# KiCad board ILM139C.kicad_pcb (continued)
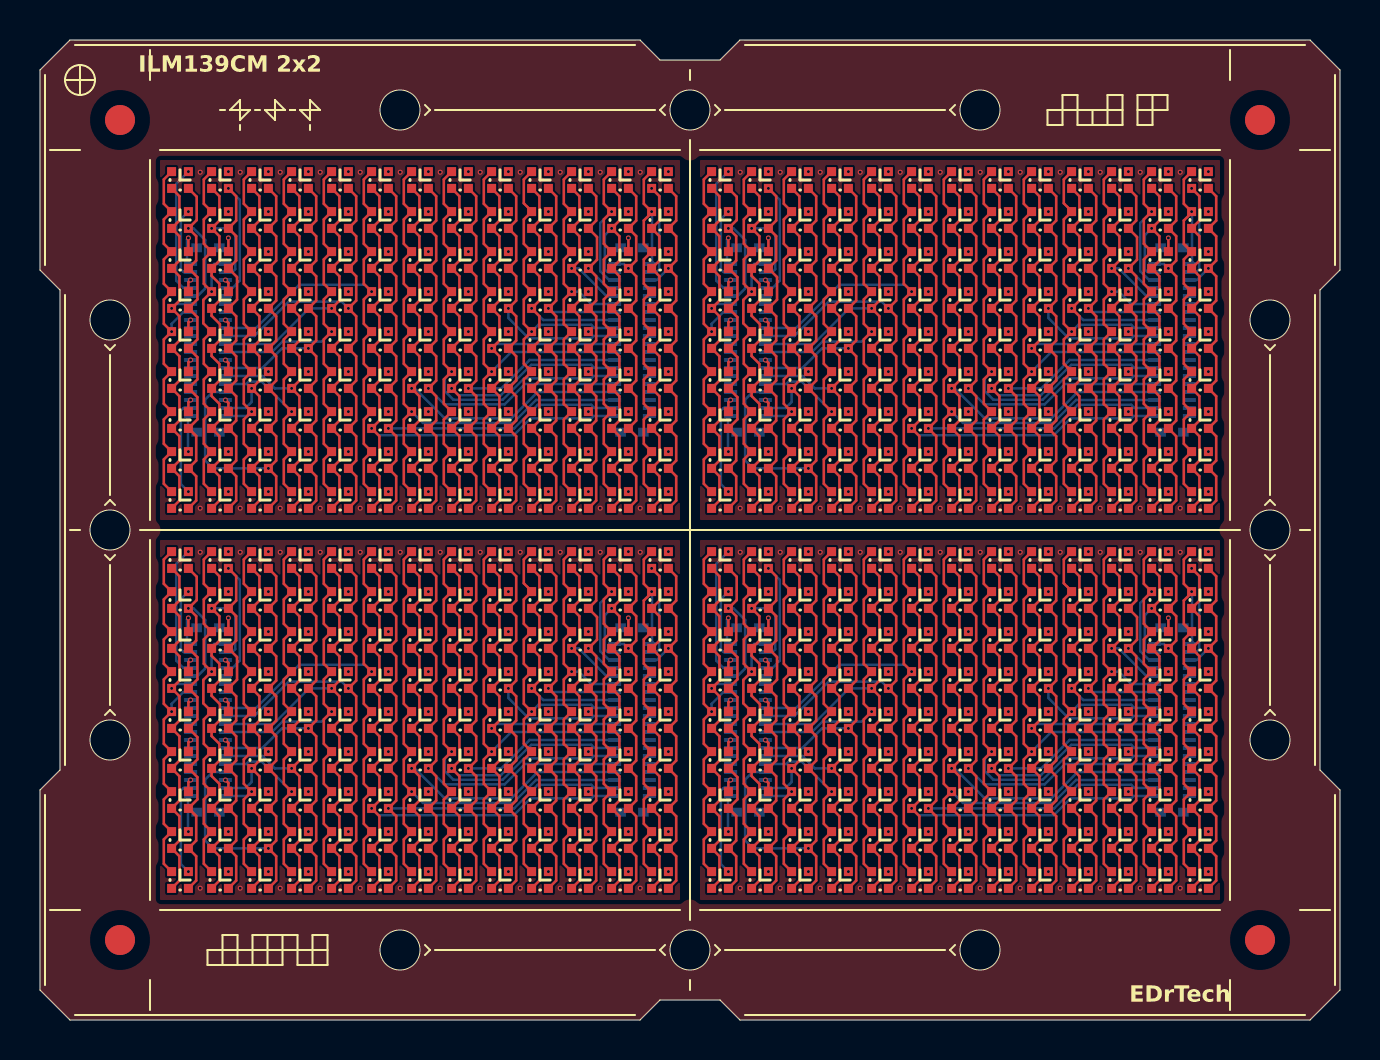
[diagram p0: board, top side]
## Placement (name value [footprint] x y rotation side) (continued)
U82#4  XL-B1010RGBT-HF  [LED-SMD_4P-L1.0-W1.0-TR_1]  46 7 0 top
U83  XL-B1010RGBT-HF  [LED-SMD_4P-L1.0-W1.0-TR_1]  56 23 0 top
U83#2  XL-B1010RGBT-HF  [LED-SMD_4P-L1.0-W1.0-TR_1]  29 42 0 top
U83#3  XL-B1010RGBT-HF  [LED-SMD_4P-L1.0-W1.0-TR_1]  56 42 0 top
U83#4  XL-B1010RGBT-HF  [LED-SMD_4P-L1.0-W1.0-TR_1]  29 23 0 top
U84  XL-B1010RGBT-HF  [LED-SMD_4P-L1.0-W1.0-TR_1]  54 42 0 top
U84#2  XL-B1010RGBT-HF  [LED-SMD_4P-L1.0-W1.0-TR_1]  54 23 0 top
U84#3  XL-B1010RGBT-HF  [LED-SMD_4P-L1.0-W1.0-TR_1]  27 42 0 top
U84#4  XL-B1010RGBT-HF  [LED-SMD_4P-L1.0-W1.0-TR_1]  27 23 0 top
U85  XL-B1010RGBT-HF  [LED-SMD_4P-L1.0-W1.0-TR_1]  52 42 0 top
U85#2  XL-B1010RGBT-HF  [LED-SMD_4P-L1.0-W1.0-TR_1]  25 42 0 top
U85#3  XL-B1010RGBT-HF  [LED-SMD_4P-L1.0-W1.0-TR_1]  25 23 0 top
U85#4  XL-B1010RGBT-HF  [LED-SMD_4P-L1.0-W1.0-TR_1]  52 23 0 top
U86  XL-B1010RGBT-HF  [LED-SMD_4P-L1.0-W1.0-TR_1]  56 21 0 top
U86#2  XL-B1010RGBT-HF  [LED-SMD_4P-L1.0-W1.0-TR_1]  56 40 0 top
U86#3  XL-B1010RGBT-HF  [LED-SMD_4P-L1.0-W1.0-TR_1]  29 40 0 top
U86#4  XL-B1010RGBT-HF  [LED-SMD_4P-L1.0-W1.0-TR_1]  29 21 0 top
U87  XL-B1010RGBT-HF  [LED-SMD_4P-L1.0-W1.0-TR_1]  27 40 0 top
U87#2  XL-B1010RGBT-HF  [LED-SMD_4P-L1.0-W1.0-TR_1]  27 21 0 top
U87#3  XL-B1010RGBT-HF  [LED-SMD_4P-L1.0-W1.0-TR_1]  54 21 0 top
U87#4  XL-B1010RGBT-HF  [LED-SMD_4P-L1.0-W1.0-TR_1]  54 40 0 top
U88  XL-B1010RGBT-HF  [LED-SMD_4P-L1.0-W1.0-TR_1]  52 40 0 top
U88#2  XL-B1010RGBT-HF  [LED-SMD_4P-L1.0-W1.0-TR_1]  25 40 0 top
U88#3  XL-B1010RGBT-HF  [LED-SMD_4P-L1.0-W1.0-TR_1]  52 21 0 top
U88#4  XL-B1010RGBT-HF  [LED-SMD_4P-L1.0-W1.0-TR_1]  25 21 0 top
U89  XL-B1010RGBT-HF  [LED-SMD_4P-L1.0-W1.0-TR_1]  29 19 0 top
U89#2  XL-B1010RGBT-HF  [LED-SMD_4P-L1.0-W1.0-TR_1]  56 38 0 top
U89#3  XL-B1010RGBT-HF  [LED-SMD_4P-L1.0-W1.0-TR_1]  56 19 0 top
U89#4  XL-B1010RGBT-HF  [LED-SMD_4P-L1.0-W1.0-TR_1]  29 38 0 top
U90  XL-B1010RGBT-HF  [LED-SMD_4P-L1.0-W1.0-TR_1]  27 38 0 top
U90#2  XL-B1010RGBT-HF  [LED-SMD_4P-L1.0-W1.0-TR_1]  27 19 0 top
U90#3  XL-B1010RGBT-HF  [LED-SMD_4P-L1.0-W1.0-TR_1]  54 38 0 top
U90#4  XL-B1010RGBT-HF  [LED-SMD_4P-L1.0-W1.0-TR_1]  54 19 0 top
U91  XL-B1010RGBT-HF  [LED-SMD_4P-L1.0-W1.0-TR_1]  52 19 0 top
U91#2  XL-B1010RGBT-HF  [LED-SMD_4P-L1.0-W1.0-TR_1]  25 19 0 top
U91#3  XL-B1010RGBT-HF  [LED-SMD_4P-L1.0-W1.0-TR_1]  52 38 0 top
U91#4  XL-B1010RGBT-HF  [LED-SMD_4P-L1.0-W1.0-TR_1]  25 38 0 top
U92  XL-B1010RGBT-HF  [LED-SMD_4P-L1.0-W1.0-TR_1]  29 36 0 top
U92#2  XL-B1010RGBT-HF  [LED-SMD_4P-L1.0-W1.0-TR_1]  29 17 0 top
U92#3  XL-B1010RGBT-HF  [LED-SMD_4P-L1.0-W1.0-TR_1]  56 17 0 top
U92#4  XL-B1010RGBT-HF  [LED-SMD_4P-L1.0-W1.0-TR_1]  56 36 0 top
U93  XL-B1010RGBT-HF  [LED-SMD_4P-L1.0-W1.0-TR_1]  54 36 0 top
U93#2  XL-B1010RGBT-HF  [LED-SMD_4P-L1.0-W1.0-TR_1]  54 17 0 top
U93#3  XL-B1010RGBT-HF  [LED-SMD_4P-L1.0-W1.0-TR_1]  27 17 0 top
U93#4  XL-B1010RGBT-HF  [LED-SMD_4P-L1.0-W1.0-TR_1]  27 36 0 top
U94  XL-B1010RGBT-HF  [LED-SMD_4P-L1.0-W1.0-TR_1]  25 36 0 top
U94#2  XL-B1010RGBT-HF  [LED-SMD_4P-L1.0-W1.0-TR_1]  25 17 0 top
U94#3  XL-B1010RGBT-HF  [LED-SMD_4P-L1.0-W1.0-TR_1]  52 17 0 top
U94#4  XL-B1010RGBT-HF  [LED-SMD_4P-L1.0-W1.0-TR_1]  52 36 0 top
U95  XL-B1010RGBT-HF  [LED-SMD_4P-L1.0-W1.0-TR_1]  29 34 0 top
U95#2  XL-B1010RGBT-HF  [LED-SMD_4P-L1.0-W1.0-TR_1]  29 15 0 top
U95#3  XL-B1010RGBT-HF  [LED-SMD_4P-L1.0-W1.0-TR_1]  56 34 0 top
U95#4  XL-B1010RGBT-HF  [LED-SMD_4P-L1.0-W1.0-TR_1]  56 15 0 top
U96  XL-B1010RGBT-HF  [LED-SMD_4P-L1.0-W1.0-TR_1]  54 34 0 top
U96#2  XL-B1010RGBT-HF  [LED-SMD_4P-L1.0-W1.0-TR_1]  54 15 0 top
U96#3  XL-B1010RGBT-HF  [LED-SMD_4P-L1.0-W1.0-TR_1]  27 34 0 top
U96#4  XL-B1010RGBT-HF  [LED-SMD_4P-L1.0-W1.0-TR_1]  27 15 0 top
U97  XL-B1010RGBT-HF  [LED-SMD_4P-L1.0-W1.0-TR_1]  52 34 0 top
U97#2  XL-B1010RGBT-HF  [LED-SMD_4P-L1.0-W1.0-TR_1]  25 34 0 top
U97#3  XL-B1010RGBT-HF  [LED-SMD_4P-L1.0-W1.0-TR_1]  25 15 0 top
U97#4  XL-B1010RGBT-HF  [LED-SMD_4P-L1.0-W1.0-TR_1]  52 15 0 top
U98  XL-B1010RGBT-HF  [LED-SMD_4P-L1.0-W1.0-TR_1]  29 32 0 top
U98#2  XL-B1010RGBT-HF  [LED-SMD_4P-L1.0-W1.0-TR_1]  29 13 0 top
U98#3  XL-B1010RGBT-HF  [LED-SMD_4P-L1.0-W1.0-TR_1]  56 32 0 top
U98#4  XL-B1010RGBT-HF  [LED-SMD_4P-L1.0-W1.0-TR_1]  56 13 0 top
U99  XL-B1010RGBT-HF  [LED-SMD_4P-L1.0-W1.0-TR_1]  54 13 0 top
U99#2  XL-B1010RGBT-HF  [LED-SMD_4P-L1.0-W1.0-TR_1]  27 13 0 top
U99#3  XL-B1010RGBT-HF  [LED-SMD_4P-L1.0-W1.0-TR_1]  54 32 0 top
U99#4  XL-B1010RGBT-HF  [LED-SMD_4P-L1.0-W1.0-TR_1]  27 32 0 top
U100  XL-B1010RGBT-HF  [LED-SMD_4P-L1.0-W1.0-TR_1]  25 32 0 top
U100#2  XL-B1010RGBT-HF  [LED-SMD_4P-L1.0-W1.0-TR_1]  25 13 0 top
U100#3  XL-B1010RGBT-HF  [LED-SMD_4P-L1.0-W1.0-TR_1]  52 32 0 top
U100#4  XL-B1010RGBT-HF  [LED-SMD_4P-L1.0-W1.0-TR_1]  52 13 0 top
U101  XL-B1010RGBT-HF  [LED-SMD_4P-L1.0-W1.0-TR_1]  56 30 0 top
U101#2  XL-B1010RGBT-HF  [LED-SMD_4P-L1.0-W1.0-TR_1]  56 11 0 top
U101#3  XL-B1010RGBT-HF  [LED-SMD_4P-L1.0-W1.0-TR_1]  29 30 0 top
U101#4  XL-B1010RGBT-HF  [LED-SMD_4P-L1.0-W1.0-TR_1]  29 11 0 top
U102  XL-B1010RGBT-HF  [LED-SMD_4P-L1.0-W1.0-TR_1]  27 30 0 top
U102#2  XL-B1010RGBT-HF  [LED-SMD_4P-L1.0-W1.0-TR_1]  27 11 0 top
U102#3  XL-B1010RGBT-HF  [LED-SMD_4P-L1.0-W1.0-TR_1]  54 11 0 top
U102#4  XL-B1010RGBT-HF  [LED-SMD_4P-L1.0-W1.0-TR_1]  54 30 0 top
U103  XL-B1010RGBT-HF  [LED-SMD_4P-L1.0-W1.0-TR_1]  25 11 0 top
U103#2  XL-B1010RGBT-HF  [LED-SMD_4P-L1.0-W1.0-TR_1]  25 30 0 top
U103#3  XL-B1010RGBT-HF  [LED-SMD_4P-L1.0-W1.0-TR_1]  52 11 0 top
U103#4  XL-B1010RGBT-HF  [LED-SMD_4P-L1.0-W1.0-TR_1]  52 30 0 top
U104  XL-B1010RGBT-HF  [LED-SMD_4P-L1.0-W1.0-TR_1]  29 9 0 top
U104#2  XL-B1010RGBT-HF  [LED-SMD_4P-L1.0-W1.0-TR_1]  29 28 0 top
U104#3  XL-B1010RGBT-HF  [LED-SMD_4P-L1.0-W1.0-TR_1]  56 28 0 top
U104#4  XL-B1010RGBT-HF  [LED-SMD_4P-L1.0-W1.0-TR_1]  56 9 0 top
U105  XL-B1010RGBT-HF  [LED-SMD_4P-L1.0-W1.0-TR_1]  27 28 0 top
U105#2  XL-B1010RGBT-HF  [LED-SMD_4P-L1.0-W1.0-TR_1]  54 28 0 top
U105#3  XL-B1010RGBT-HF  [LED-SMD_4P-L1.0-W1.0-TR_1]  27 9 0 top
U105#4  XL-B1010RGBT-HF  [LED-SMD_4P-L1.0-W1.0-TR_1]  54 9 0 top
U106  XL-B1010RGBT-HF  [LED-SMD_4P-L1.0-W1.0-TR_1]  25 9 0 top
U106#2  XL-B1010RGBT-HF  [LED-SMD_4P-L1.0-W1.0-TR_1]  52 9 0 top
U106#3  XL-B1010RGBT-HF  [LED-SMD_4P-L1.0-W1.0-TR_1]  52 28 0 top
U106#4  XL-B1010RGBT-HF  [LED-SMD_4P-L1.0-W1.0-TR_1]  25 28 0 top
U107  XL-B1010RGBT-HF  [LED-SMD_4P-L1.0-W1.0-TR_1]  56 7 0 top
U107#2  XL-B1010RGBT-HF  [LED-SMD_4P-L1.0-W1.0-TR_1]  29 26 0 top
U107#3  XL-B1010RGBT-HF  [LED-SMD_4P-L1.0-W1.0-TR_1]  56 26 0 top
U107#4  XL-B1010RGBT-HF  [LED-SMD_4P-L1.0-W1.0-TR_1]  29 7 0 top
U108  XL-B1010RGBT-HF  [LED-SMD_4P-L1.0-W1.0-TR_1]  54 26 0 top
U108#2  XL-B1010RGBT-HF  [LED-SMD_4P-L1.0-W1.0-TR_1]  27 7 0 top
U108#3  XL-B1010RGBT-HF  [LED-SMD_4P-L1.0-W1.0-TR_1]  27 26 0 top
U108#4  XL-B1010RGBT-HF  [LED-SMD_4P-L1.0-W1.0-TR_1]  54 7 0 top
U109  XL-B1010RGBT-HF  [LED-SMD_4P-L1.0-W1.0-TR_1]  25 7 0 top
U109#2  XL-B1010RGBT-HF  [LED-SMD_4P-L1.0-W1.0-TR_1]  25 26 0 top
U109#3  XL-B1010RGBT-HF  [LED-SMD_4P-L1.0-W1.0-TR_1]  52 7 0 top
U109#4  XL-B1010RGBT-HF  [LED-SMD_4P-L1.0-W1.0-TR_1]  52 26 0 top
U110  XL-B1010RGBT-HF  [LED-SMD_4P-L1.0-W1.0-TR_1]  58 23 0 top
U110#2  XL-B1010RGBT-HF  [LED-SMD_4P-L1.0-W1.0-TR_1]  31 23 0 top
U110#3  XL-B1010RGBT-HF  [LED-SMD_4P-L1.0-W1.0-TR_1]  58 42 0 top
U110#4  XL-B1010RGBT-HF  [LED-SMD_4P-L1.0-W1.0-TR_1]  31 42 0 top
U111  XL-B1010RGBT-HF  [LED-SMD_4P-L1.0-W1.0-TR_1]  31 21 0 top
U111#2  XL-B1010RGBT-HF  [LED-SMD_4P-L1.0-W1.0-TR_1]  58 21 0 top
U111#3  XL-B1010RGBT-HF  [LED-SMD_4P-L1.0-W1.0-TR_1]  58 40 0 top
U111#4  XL-B1010RGBT-HF  [LED-SMD_4P-L1.0-W1.0-TR_1]  31 40 0 top
U112  XL-B1010RGBT-HF  [LED-SMD_4P-L1.0-W1.0-TR_1]  31 19 0 top
U112#2  XL-B1010RGBT-HF  [LED-SMD_4P-L1.0-W1.0-TR_1]  58 19 0 top
U112#3  XL-B1010RGBT-HF  [LED-SMD_4P-L1.0-W1.0-TR_1]  58 38 0 top
U112#4  XL-B1010RGBT-HF  [LED-SMD_4P-L1.0-W1.0-TR_1]  31 38 0 top
U113  XL-B1010RGBT-HF  [LED-SMD_4P-L1.0-W1.0-TR_1]  58 36 0 top
U113#2  XL-B1010RGBT-HF  [LED-SMD_4P-L1.0-W1.0-TR_1]  31 36 0 top
U113#3  XL-B1010RGBT-HF  [LED-SMD_4P-L1.0-W1.0-TR_1]  58 17 0 top
U113#4  XL-B1010RGBT-HF  [LED-SMD_4P-L1.0-W1.0-TR_1]  31 17 0 top
U114  XL-B1010RGBT-HF  [LED-SMD_4P-L1.0-W1.0-TR_1]  58 34 0 top
U114#2  XL-B1010RGBT-HF  [LED-SMD_4P-L1.0-W1.0-TR_1]  31 15 0 top
U114#3  XL-B1010RGBT-HF  [LED-SMD_4P-L1.0-W1.0-TR_1]  31 34 0 top
U114#4  XL-B1010RGBT-HF  [LED-SMD_4P-L1.0-W1.0-TR_1]  58 15 0 top
U115  XL-B1010RGBT-HF  [LED-SMD_4P-L1.0-W1.0-TR_1]  31 13 0 top
U115#2  XL-B1010RGBT-HF  [LED-SMD_4P-L1.0-W1.0-TR_1]  31 32 0 top
U115#3  XL-B1010RGBT-HF  [LED-SMD_4P-L1.0-W1.0-TR_1]  58 32 0 top
U115#4  XL-B1010RGBT-HF  [LED-SMD_4P-L1.0-W1.0-TR_1]  58 13 0 top
U116  XL-B1010RGBT-HF  [LED-SMD_4P-L1.0-W1.0-TR_1]  58 11 0 top
U116#2  XL-B1010RGBT-HF  [LED-SMD_4P-L1.0-W1.0-TR_1]  31 30 0 top
U116#3  XL-B1010RGBT-HF  [LED-SMD_4P-L1.0-W1.0-TR_1]  31 11 0 top
U116#4  XL-B1010RGBT-HF  [LED-SMD_4P-L1.0-W1.0-TR_1]  58 30 0 top
U117  XL-B1010RGBT-HF  [LED-SMD_4P-L1.0-W1.0-TR_1]  31 9 0 top
U117#2  XL-B1010RGBT-HF  [LED-SMD_4P-L1.0-W1.0-TR_1]  31 28 0 top
U117#3  XL-B1010RGBT-HF  [LED-SMD_4P-L1.0-W1.0-TR_1]  58 9 0 top
U117#4  XL-B1010RGBT-HF  [LED-SMD_4P-L1.0-W1.0-TR_1]  58 28 0 top
U118  XL-B1010RGBT-HF  [LED-SMD_4P-L1.0-W1.0-TR_1]  31 7 0 top
U118#2  XL-B1010RGBT-HF  [LED-SMD_4P-L1.0-W1.0-TR_1]  58 26 0 top
U118#3  XL-B1010RGBT-HF  [LED-SMD_4P-L1.0-W1.0-TR_1]  58 7 0 top
U118#4  XL-B1010RGBT-HF  [LED-SMD_4P-L1.0-W1.0-TR_1]  31 26 0 top

## Library data of the parts
CN3 CN3#2-CN3#4 CN4 CN4#2-CN4#4 = -: LCSC Part: C5128265
U2 U2#2-U2#4 U3 U3#2-U3#4 U4 U4#2-U4#4 U5 U5#2-U5#4 U6 U6#2-U6#4 U7 U7#2-U7#4 U8 U8#2-U8#4 U9 U9#2-U9#4 U10 U10#2-U10#4 U11 U11#2-U11#4 U12 U12#2-U12#4 U13 U13#2-U13#4 U14 U14#2-U14#4 U15 U15#2-U15#4 U16 U16#2-U16#4 U17 U17#2-U17#4 U18 U18#2-U18#4 U19 U19#2-U19#4 U20 U20#2-U20#4 U21 U21#2-U21#4 U22 U22#2-U22#4 U23 U23#2-U23#4 U24 U24#2-U24#4 U25 U25#2-U25#4 U26 U26#2-U26#4 U27 U27#2-U27#4 U28 U28#2-U28#4 U29 U29#2-U29#4 U30 U30#2-U30#4 U31 U31#2-U31#4 U32 U32#2-U32#4 U33 U33#2-U33#4 U34 U34#2-U34#4 U35 U35#2-U35#4 U36 U36#2-U36#4 U37 U37#2-U37#4 U38 U38#2-U38#4 U39 U39#2-U39#4 U40 U40#2-U40#4 U41 U41#2-U41#4 U42 U42#2-U42#4 U43 U43#2-U43#4 U44 U44#2-U44#4 U45 U45#2-U45#4 U46 U46#2-U46#4 U47 U47#2-U47#4 U48 U48#2-U48#4 U49 U49#2-U49#4 U50 U50#2-U50#4 U51 U51#2-U51#4 U52 U52#2-U52#4 U53 U53#2-U53#4 U54 U54#2-U54#4 U55 U55#2-U55#4 U56 U56#2-U56#4 U57 U57#2-U57#4 U58 U58#2-U58#4 U59 U59#2-U59#4 U60 U60#2-U60#4 U61 U61#2-U61#4 U62 U62#2-U62#4 U63 U63#2-U63#4 U64 U64#2-U64#4 U65 U65#2-U65#4 U66 U66#2-U66#4 U67 U67#2-U67#4 U68 U68#2-U68#4 U69 U69#2-U69#4 U70 U70#2-U70#4 U71 U71#2-U71#4 U72 U72#2-U72#4 U73 U73#2-U73#4 U74 U74#2-U74#4 U75 U75#2-U75#4 U76 U76#2-U76#4 U77 U77#2-U77#4 U78 U78#2-U78#4 U79 U79#2-U79#4 U80 U80#2-U80#4 U81 U81#2-U81#4 U82 U82#2-U82#4 U83 U83#2-U83#4 U84 U84#2-U84#4 U85 U85#2-U85#4 U86 U86#2-U86#4 U87 U87#2-U87#4 U88 U88#2-U88#4 U89 U89#2-U89#4 U90 U90#2-U90#4 U91 U91#2-U91#4 U92 U92#2-U92#4 U93 U93#2-U93#4 U94 U94#2-U94#4 U95 U95#2-U95#4 U96 U96#2-U96#4 U97 U97#2-U97#4 U98 U98#2-U98#4 U99 U99#2-U99#4 U100 U100#2-U100#4 U101 U101#2-U101#4 U102 U102#2-U102#4 U103 U103#2-U103#4 U104 U104#2-U104#4 U105 U105#2-U105#4 U106 U106#2-U106#4 U107 U107#2-U107#4 U108 U108#2-U108#4 U109 U109#2-U109#4 U110 U110#2-U110#4 U111 U111#2-U111#4 U112 U112#2-U112#4 U113 U113#2-U113#4 U114 U114#2-U114#4 U115 U115#2-U115#4 U116 U116#2-U116#4 U117 U117#2-U117#4 U118 U118#2-U118#4 = -: LCSC Part: C22464515

## Footprints (pads in the part's own frame, mm; a bottom-side part is the same pattern mirrored in y, then rotated)
CONN-SMD_40P-P0.40_OK-14GM040-04
  rect 0.2x0.65 smd: 1(-3.8,-0.87) 2(-3.4,-0.87) 3(-3,-0.87) 4(-2.6,-0.87) 5(-2.2,-0.87) 6(-1.8,-0.87) 7(-1.4,-0.87) 8(-1,-0.87) 9(-0.6,-0.87) 10(-0.2,-0.87) 11(0.2,-0.87) 12(0.6,-0.87) 13(1,-0.87) 14(1.4,-0.87) 15(1.8,-0.87) 16(2.2,-0.87) 17(2.6,-0.87) 18(3,-0.87) 19(3.4,-0.87) 20(3.8,-0.87) 21(3.8,0.87) 22(3.4,0.87) 23(3,0.87) 24(2.6,0.87) 25(2.2,0.87) 26(1.8,0.87) 27(1.4,0.87) 28(1,0.87) 29(0.6,0.87) 30(0.2,0.87) 31(-0.2,0.87) 32(-0.6,0.87) 33(-1,0.87) 34(-1.4,0.87) 35(-1.8,0.87) 36(-2.2,0.87) 37(-2.6,0.87) 38(-3,0.87) 39(-3.4,0.87) 40(-3.8,0.87)
  rect 0.45x0.53 smd: 41(-4.61,0.57) 42(-4.61,-0.57) 43(4.61,-0.57) 44(4.61,0.57)
Fiducial_1.5mm_Mask3mm
  round 1.5 smd: (0,0)
LED-SMD_4P-L1.0-W1.0-TR_1
  rect 0.45x0.45 smd: 1(0.42,0.42) 2(0.42,-0.42) 3(-0.42,-0.42) 4(-0.42,0.42)

## Nets
GND: CN3.4 CN3.5 CN3.6 CN3.7 CN3.8 CN3.9 CN3.10 CN3.11 CN3.12 CN3.13 CN3.14 CN3.15 CN3.16 CN3.17 CN3.18 CN3.19 CN3.20 CN3#2.4 CN3#2.5 CN3#2.6 CN3#2.7 CN3#2.8 CN3#2.9 CN3#2.10 CN3#2.11 CN3#2.12 CN3#2.13 CN3#2.14 CN3#2.15 CN3#2.16 CN3#2.17 CN3#2.18 CN3#2.19 CN3#2.20 CN3#3.4 CN3#3.5 CN3#3.6 CN3#3.7 CN3#3.8 CN3#3.9 CN3#3.10 CN3#3.11 CN3#3.12 CN3#3.13 CN3#3.14 CN3#3.15 CN3#3.16 CN3#3.17 CN3#3.18 CN3#3.19 CN3#3.20 CN3#4.4 CN3#4.5 CN3#4.6 CN3#4.7 CN3#4.8 CN3#4.9 CN3#4.10 CN3#4.11 CN3#4.12 CN3#4.13 CN3#4.14 CN3#4.15 CN3#4.16 CN3#4.17 CN3#4.18 CN3#4.19 CN3#4.20 CN4.5 CN4.6 CN4.7 CN4.24 CN4.25 CN4.26 CN4.27 CN4.29 CN4.30 CN4.31 CN4.32 CN4#2.5 CN4#2.6 CN4#2.7 CN4#2.24 CN4#2.25 CN4#2.26 CN4#2.27 CN4#2.29 CN4#2.30 CN4#2.31 CN4#2.32 CN4#3.5 CN4#3.6 CN4#3.7 CN4#3.24 CN4#3.25 CN4#3.26 CN4#3.27 CN4#3.29 CN4#3.30 CN4#3.31 CN4#3.32 CN4#4.5 CN4#4.6 CN4#4.7 CN4#4.24 CN4#4.25 CN4#4.26 CN4#4.27 CN4#4.29 CN4#4.30 CN4#4.31 CN4#4.32
S1: CN4.34 CN4#2.34 CN4#3.34 CN4#4.34 U2.4 U2#2.4 U2#3.4 U2#4.4 U3.4 U3#2.4 U3#3.4 U3#4.4 U4.4 U4#2.4 U4#3.4 U4#4.4 U5.4 U5#2.4 U5#3.4 U5#4.4 U6.4 U6#2.4 U6#3.4 U6#4.4 U7.4 U7#2.4 U7#3.4 U7#4.4 U8.4 U8#2.4 U8#3.4 U8#4.4 U9.4 U9#2.4 U9#3.4 U9#4.4 U10.4 U10#2.4 U10#3.4 U10#4.4
S2: CN4.35 CN4#2.35 CN4#3.35 CN4#4.35 U2.3 U2#2.3 U2#3.3 U2#4.3 U3.3 U3#2.3 U3#3.3 U3#4.3 U4.3 U4#2.3 U4#3.3 U4#4.3 U5.3 U5#2.3 U5#3.3 U5#4.3 U6.3 U6#2.3 U6#3.3 U6#4.3 U7.3 U7#2.3 U7#3.3 U7#4.3 U8.3 U8#2.3 U8#3.3 U8#4.3 U9.3 U9#2.3 U9#3.3 U9#4.3 U10.3 U10#2.3 U10#3.3 U10#4.3
S3: CN4.36 CN4#2.36 CN4#3.36 CN4#4.36 U2.2 U2#2.2 U2#3.2 U2#4.2 U3.2 U3#2.2 U3#3.2 U3#4.2 U4.2 U4#2.2 U4#3.2 U4#4.2 U5.2 U5#2.2 U5#3.2 U5#4.2 U6.2 U6#2.2 U6#3.2 U6#4.2 U7.2 U7#2.2 U7#3.2 U7#4.2 U8.2 U8#2.2 U8#3.2 U8#4.2 U9.2 U9#2.2 U9#3.2 U9#4.2 U10.2 U10#2.2 U10#3.2 U10#4.2
S4: CN4.1 CN4#2.1 CN4#3.1 CN4#4.1 U11.4 U11#2.4 U11#3.4 U11#4.4 U12.4 U12#2.4 U12#3.4 U12#4.4 U13.4 U13#2.4 U13#3.4 U13#4.4 U14.4 U14#2.4 U14#3.4 U14#4.4 U15.4 U15#2.4 U15#3.4 U15#4.4 U16.4 U16#2.4 U16#3.4 U16#4.4 U17.4 U17#2.4 U17#3.4 U17#4.4 U18.4 U18#2.4 U18#3.4 U18#4.4 U19.4 U19#2.4 U19#3.4 U19#4.4
S5: CN4.2 CN4#2.2 CN4#3.2 CN4#4.2 U11.3 U11#2.3 U11#3.3 U11#4.3 U12.3 U12#2.3 U12#3.3 U12#4.3 U13.3 U13#2.3 U13#3.3 U13#4.3 U14.3 U14#2.3 U14#3.3 U14#4.3 U15.3 U15#2.3 U15#3.3 U15#4.3 U16.3 U16#2.3 U16#3.3 U16#4.3 U17.3 U17#2.3 U17#3.3 U17#4.3 U18.3 U18#2.3 U18#3.3 U18#4.3 U19.3 U19#2.3 U19#3.3 U19#4.3
S6: CN4.4 CN4#2.4 CN4#3.4 CN4#4.4 U11.2 U11#2.2 U11#3.2 U11#4.2 U12.2 U12#2.2 U12#3.2 U12#4.2 U13.2 U13#2.2 U13#3.2 U13#4.2 U14.2 U14#2.2 U14#3.2 U14#4.2 U15.2 U15#2.2 U15#3.2 U15#4.2 U16.2 U16#2.2 U16#3.2 U16#4.2 U17.2 U17#2.2 U17#3.2 U17#4.2 U18.2 U18#2.2 U18#3.2 U18#4.2 U19.2 U19#2.2 U19#3.2 U19#4.2
S7: CN4.20 CN4#2.20 CN4#3.20 CN4#4.20 U20.4 U20#2.4 U20#3.4 U20#4.4 U21.4 U21#2.4 U21#3.4 U21#4.4 U22.4 U22#2.4 U22#3.4 U22#4.4 U23.4 U23#2.4 U23#3.4 U23#4.4 U24.4 U24#2.4 U24#3.4 U24#4.4 U25.4 U25#2.4 U25#3.4 U25#4.4 U26.4 U26#2.4 U26#3.4 U26#4.4 U27.4 U27#2.4 U27#3.4 U27#4.4 U28.4 U28#2.4 U28#3.4 U28#4.4
S8: CN4.19 CN4#2.19 CN4#3.19 CN4#4.19 U20.3 U20#2.3 U20#3.3 U20#4.3 U21.3 U21#2.3 U21#3.3 U21#4.3 U22.3 U22#2.3 U22#3.3 U22#4.3 U23.3 U23#2.3 U23#3.3 U23#4.3 U24.3 U24#2.3 U24#3.3 U24#4.3 U25.3 U25#2.3 U25#3.3 U25#4.3 U26.3 U26#2.3 U26#3.3 U26#4.3 U27.3 U27#2.3 U27#3.3 U27#4.3 U28.3 U28#2.3 U28#3.3 U28#4.3
S9: CN4.17 CN4#2.17 CN4#3.17 CN4#4.17 U20.2 U20#2.2 U20#3.2 U20#4.2 U21.2 U21#2.2 U21#3.2 U21#4.2 U22.2 U22#2.2 U22#3.2 U22#4.2 U23.2 U23#2.2 U23#3.2 U23#4.2 U24.2 U24#2.2 U24#3.2 U24#4.2 U25.2 U25#2.2 U25#3.2 U25#4.2 U26.2 U26#2.2 U26#3.2 U26#4.2 U27.2 U27#2.2 U27#3.2 U27#4.2 U28.2 U28#2.2 U28#3.2 U28#4.2
S10: CN4.16 CN4#2.16 CN4#3.16 CN4#4.16 U31.4 U31#2.4 U31#3.4 U31#4.4 U34.4 U34#2.4 U34#3.4 U34#4.4 U37.4 U37#2.4 U37#3.4 U37#4.4 U40.4 U40#2.4 U40#3.4 U40#4.4 U43.4 U43#2.4 U43#3.4 U43#4.4 U46.4 U46#2.4 U46#3.4 U46#4.4 U49.4 U49#2.4 U49#3.4 U49#4.4 U52.4 U52#2.4 U52#3.4 U52#4.4 U55.4 U55#2.4 U55#3.4 U55#4.4
S11: CN4.15 CN4#2.15 CN4#3.15 CN4#4.15 U31.3 U31#2.3 U31#3.3 U31#4.3 U34.3 U34#2.3 U34#3.3 U34#4.3 U37.3 U37#2.3 U37#3.3 U37#4.3 U40.3 U40#2.3 U40#3.3 U40#4.3 U43.3 U43#2.3 U43#3.3 U43#4.3 U46.3 U46#2.3 U46#3.3 U46#4.3 U49.3 U49#2.3 U49#3.3 U49#4.3 U52.3 U52#2.3 U52#3.3 U52#4.3 U55.3 U55#2.3 U55#3.3 U55#4.3
S12: CN4.14 CN4#2.14 CN4#3.14 CN4#4.14 U31.2 U31#2.2 U31#3.2 U31#4.2 U34.2 U34#2.2 U34#3.2 U34#4.2 U37.2 U37#2.2 U37#3.2 U37#4.2 U40.2 U40#2.2 U40#3.2 U40#4.2 U43.2 U43#2.2 U43#3.2 U43#4.2 U46.2 U46#2.2 U46#3.2 U46#4.2 U49.2 U49#2.2 U49#3.2 U49#4.2 U52.2 U52#2.2 U52#3.2 U52#4.2 U55.2 U55#2.2 U55#3.2 U55#4.2
S13: CN4.12 CN4#2.12 CN4#3.12 CN4#4.12 U30.4 U30#2.4 U30#3.4 U30#4.4 U33.4 U33#2.4 U33#3.4 U33#4.4 U36.4 U36#2.4 U36#3.4 U36#4.4 U39.4 U39#2.4 U39#3.4 U39#4.4 U42.4 U42#2.4 U42#3.4 U42#4.4 U45.4 U45#2.4 U45#3.4 U45#4.4 U48.4 U48#2.4 U48#3.4 U48#4.4 U51.4 U51#2.4 U51#3.4 U51#4.4 U54.4 U54#2.4 U54#3.4 U54#4.4
S14: CN4.11 CN4#2.11 CN4#3.11 CN4#4.11 U30.3 U30#2.3 U30#3.3 U30#4.3 U33.3 U33#2.3 U33#3.3 U33#4.3 U36.3 U36#2.3 U36#3.3 U36#4.3 U39.3 U39#2.3 U39#3.3 U39#4.3 U42.3 U42#2.3 U42#3.3 U42#4.3 U45.3 U45#2.3 U45#3.3 U45#4.3 U48.3 U48#2.3 U48#3.3 U48#4.3 U51.3 U51#2.3 U51#3.3 U51#4.3 U54.3 U54#2.3 U54#3.3 U54#4.3
S15: CN4.10 CN4#2.10 CN4#3.10 CN4#4.10 U30.2 U30#2.2 U30#3.2 U30#4.2 U33.2 U33#2.2 U33#3.2 U33#4.2 U36.2 U36#2.2 U36#3.2 U36#4.2 U39.2 U39#2.2 U39#3.2 U39#4.2 U42.2 U42#2.2 U42#3.2 U42#4.2 U45.2 U45#2.2 U45#3.2 U45#4.2 U48.2 U48#2.2 U48#3.2 U48#4.2 U51.2 U51#2.2 U51#3.2 U51#4.2 U54.2 U54#2.2 U54#3.2 U54#4.2
S16: CN4.9 CN4#2.9 CN4#3.9 CN4#4.9 U29.4 U29#2.4 U29#3.4 U29#4.4 U32.4 U32#2.4 U32#3.4 U32#4.4 U35.4 U35#2.4 U35#3.4 U35#4.4 U38.4 U38#2.4 U38#3.4 U38#4.4 U41.4 U41#2.4 U41#3.4 U41#4.4 U44.4 U44#2.4 U44#3.4 U44#4.4 U47.4 U47#2.4 U47#3.4 U47#4.4 U50.4 U50#2.4 U50#3.4 U50#4.4 U53.4 U53#2.4 U53#3.4 U53#4.4
S17: CN3.21 CN3#2.21 CN3#3.21 CN3#4.21 U29.3 U29#2.3 U29#3.3 U29#4.3 U32.3 U32#2.3 U32#3.3 U32#4.3 U35.3 U35#2.3 U35#3.3 U35#4.3 U38.3 U38#2.3 U38#3.3 U38#4.3 U41.3 U41#2.3 U41#3.3 U41#4.3 U44.3 U44#2.3 U44#3.3 U44#4.3 U47.3 U47#2.3 U47#3.3 U47#4.3 U50.3 U50#2.3 U50#3.3 U50#4.3 U53.3 U53#2.3 U53#3.3 U53#4.3
S18: CN3.22 CN3#2.22 CN3#3.22 CN3#4.22 U29.2 U29#2.2 U29#3.2 U29#4.2 U32.2 U32#2.2 U32#3.2 U32#4.2 U35.2 U35#2.2 U35#3.2 U35#4.2 U38.2 U38#2.2 U38#3.2 U38#4.2 U41.2 U41#2.2 U41#3.2 U41#4.2 U44.2 U44#2.2 U44#3.2 U44#4.2 U47.2 U47#2.2 U47#3.2 U47#4.2 U50.2 U50#2.2 U50#3.2 U50#4.2 U53.2 U53#2.2 U53#3.2 U53#4.2
S19: CN3.23 CN3#2.23 CN3#3.23 CN3#4.23 U58.4 U58#2.4 U58#3.4 U58#4.4 U61.4 U61#2.4 U61#3.4 U61#4.4 U64.4 U64#2.4 U64#3.4 U64#4.4 U67.4 U67#2.4 U67#3.4 U67#4.4 U70.4 U70#2.4 U70#3.4 U70#4.4 U73.4 U73#2.4 U73#3.4 U73#4.4 U76.4 U76#2.4 U76#3.4 U76#4.4 U79.4 U79#2.4 U79#3.4 U79#4.4 U82.4 U82#2.4 U82#3.4 U82#4.4
S20: CN3.24 CN3#2.24 CN3#3.24 CN3#4.24 U58.3 U58#2.3 U58#3.3 U58#4.3 U61.3 U61#2.3 U61#3.3 U61#4.3 U64.3 U64#2.3 U64#3.3 U64#4.3 U67.3 U67#2.3 U67#3.3 U67#4.3 U70.3 U70#2.3 U70#3.3 U70#4.3 U73.3 U73#2.3 U73#3.3 U73#4.3 U76.3 U76#2.3 U76#3.3 U76#4.3 U79.3 U79#2.3 U79#3.3 U79#4.3 U82.3 U82#2.3 U82#3.3 U82#4.3
S21: CN3.25 CN3#2.25 CN3#3.25 CN3#4.25 U58.2 U58#2.2 U58#3.2 U58#4.2 U61.2 U61#2.2 U61#3.2 U61#4.2 U64.2 U64#2.2 U64#3.2 U64#4.2 U67.2 U67#2.2 U67#3.2 U67#4.2 U70.2 U70#2.2 U70#3.2 U70#4.2 U73.2 U73#2.2 U73#3.2 U73#4.2 U76.2 U76#2.2 U76#3.2 U76#4.2 U79.2 U79#2.2 U79#3.2 U79#4.2 U82.2 U82#2.2 U82#3.2 U82#4.2
S22: CN3.26 CN3#2.26 CN3#3.26 CN3#4.26 U57.4 U57#2.4 U57#3.4 U57#4.4 U60.4 U60#2.4 U60#3.4 U60#4.4 U63.4 U63#2.4 U63#3.4 U63#4.4 U66.4 U66#2.4 U66#3.4 U66#4.4 U69.4 U69#2.4 U69#3.4 U69#4.4 U72.4 U72#2.4 U72#3.4 U72#4.4 U75.4 U75#2.4 U75#3.4 U75#4.4 U78.4 U78#2.4 U78#3.4 U78#4.4 U81.4 U81#2.4 U81#3.4 U81#4.4
S23: CN3.27 CN3#2.27 CN3#3.27 CN3#4.27 U57.3 U57#2.3 U57#3.3 U57#4.3 U60.3 U60#2.3 U60#3.3 U60#4.3 U63.3 U63#2.3 U63#3.3 U63#4.3 U66.3 U66#2.3 U66#3.3 U66#4.3 U69.3 U69#2.3 U69#3.3 U69#4.3 U72.3 U72#2.3 U72#3.3 U72#4.3 U75.3 U75#2.3 U75#3.3 U75#4.3 U78.3 U78#2.3 U78#3.3 U78#4.3 U81.3 U81#2.3 U81#3.3 U81#4.3
S24: CN3.28 CN3#2.28 CN3#3.28 CN3#4.28 U57.2 U57#2.2 U57#3.2 U57#4.2 U60.2 U60#2.2 U60#3.2 U60#4.2 U63.2 U63#2.2 U63#3.2 U63#4.2 U66.2 U66#2.2 U66#3.2 U66#4.2 U69.2 U69#2.2 U69#3.2 U69#4.2 U72.2 U72#2.2 U72#3.2 U72#4.2 U75.2 U75#2.2 U75#3.2 U75#4.2 U78.2 U78#2.2 U78#3.2 U78#4.2 U81.2 U81#2.2 U81#3.2 U81#4.2
S25: CN3.29 CN3#2.29 CN3#3.29 CN3#4.29 U56.4 U56#2.4 U56#3.4 U56#4.4 U59.4 U59#2.4 U59#3.4 U59#4.4 U62.4 U62#2.4 U62#3.4 U62#4.4 U65.4 U65#2.4 U65#3.4 U65#4.4 U68.4 U68#2.4 U68#3.4 U68#4.4 U71.4 U71#2.4 U71#3.4 U71#4.4 U74.4 U74#2.4 U74#3.4 U74#4.4 U77.4 U77#2.4 U77#3.4 U77#4.4 U80.4 U80#2.4 U80#3.4 U80#4.4
S26: CN3.30 CN3#2.30 CN3#3.30 CN3#4.30 U56.3 U56#2.3 U56#3.3 U56#4.3 U59.3 U59#2.3 U59#3.3 U59#4.3 U62.3 U62#2.3 U62#3.3 U62#4.3 U65.3 U65#2.3 U65#3.3 U65#4.3 U68.3 U68#2.3 U68#3.3 U68#4.3 U71.3 U71#2.3 U71#3.3 U71#4.3 U74.3 U74#2.3 U74#3.3 U74#4.3 U77.3 U77#2.3 U77#3.3 U77#4.3 U80.3 U80#2.3 U80#3.3 U80#4.3
S27: CN3.31 CN3#2.31 CN3#3.31 CN3#4.31 U56.2 U56#2.2 U56#3.2 U56#4.2 U59.2 U59#2.2 U59#3.2 U59#4.2 U62.2 U62#2.2 U62#3.2 U62#4.2 U65.2 U65#2.2 U65#3.2 U65#4.2 U68.2 U68#2.2 U68#3.2 U68#4.2 U71.2 U71#2.2 U71#3.2 U71#4.2 U74.2 U74#2.2 U74#3.2 U74#4.2 U77.2 U77#2.2 U77#3.2 U77#4.2 U80.2 U80#2.2 U80#3.2 U80#4.2
S28: CN3.32 CN3#2.32 CN3#3.32 CN3#4.32 U85.4 U85#2.4 U85#3.4 U85#4.4 U88.4 U88#2.4 U88#3.4 U88#4.4 U91.4 U91#2.4 U91#3.4 U91#4.4 U94.4 U94#2.4 U94#3.4 U94#4.4 U97.4 U97#2.4 U97#3.4 U97#4.4 U100.4 U100#2.4 U100#3.4 U100#4.4 U103.4 U103#2.4 U103#3.4 U103#4.4 U106.4 U106#2.4 U106#3.4 U106#4.4 U109.4 U109#2.4 U109#3.4 U109#4.4
S29: CN3.33 CN3#2.33 CN3#3.33 CN3#4.33 U85.3 U85#2.3 U85#3.3 U85#4.3 U88.3 U88#2.3 U88#3.3 U88#4.3 U91.3 U91#2.3 U91#3.3 U91#4.3 U94.3 U94#2.3 U94#3.3 U94#4.3 U97.3 U97#2.3 U97#3.3 U97#4.3 U100.3 U100#2.3 U100#3.3 U100#4.3 U103.3 U103#2.3 U103#3.3 U103#4.3 U106.3 U106#2.3 U106#3.3 U106#4.3 U109.3 U109#2.3 U109#3.3 U109#4.3
S30: CN3.34 CN3#2.34 CN3#3.34 CN3#4.34 U85.2 U85#2.2 U85#3.2 U85#4.2 U88.2 U88#2.2 U88#3.2 U88#4.2 U91.2 U91#2.2 U91#3.2 U91#4.2 U94.2 U94#2.2 U94#3.2 U94#4.2 U97.2 U97#2.2 U97#3.2 U97#4.2 U100.2 U100#2.2 U100#3.2 U100#4.2 U103.2 U103#2.2 U103#3.2 U103#4.2 U106.2 U106#2.2 U106#3.2 U106#4.2 U109.2 U109#2.2 U109#3.2 U109#4.2
S31: CN3.35 CN3#2.35 CN3#3.35 CN3#4.35 U84.4 U84#2.4 U84#3.4 U84#4.4 U87.4 U87#2.4 U87#3.4 U87#4.4 U90.4 U90#2.4 U90#3.4 U90#4.4 U93.4 U93#2.4 U93#3.4 U93#4.4 U96.4 U96#2.4 U96#3.4 U96#4.4 U99.4 U99#2.4 U99#3.4 U99#4.4 U102.4 U102#2.4 U102#3.4 U102#4.4 U105.4 U105#2.4 U105#3.4 U105#4.4 U108.4 U108#2.4 U108#3.4 U108#4.4
S32: CN3.36 CN3#2.36 CN3#3.36 CN3#4.36 U84.3 U84#2.3 U84#3.3 U84#4.3 U87.3 U87#2.3 U87#3.3 U87#4.3 U90.3 U90#2.3 U90#3.3 U90#4.3 U93.3 U93#2.3 U93#3.3 U93#4.3 U96.3 U96#2.3 U96#3.3 U96#4.3 U99.3 U99#2.3 U99#3.3 U99#4.3 U102.3 U102#2.3 U102#3.3 U102#4.3 U105.3 U105#2.3 U105#3.3 U105#4.3 U108.3 U108#2.3 U108#3.3 U108#4.3
S33: CN3.37 CN3#2.37 CN3#3.37 CN3#4.37 U84.2 U84#2.2 U84#3.2 U84#4.2 U87.2 U87#2.2 U87#3.2 U87#4.2 U90.2 U90#2.2 U90#3.2 U90#4.2 U93.2 U93#2.2 U93#3.2 U93#4.2 U96.2 U96#2.2 U96#3.2 U96#4.2 U99.2 U99#2.2 U99#3.2 U99#4.2 U102.2 U102#2.2 U102#3.2 U102#4.2 U105.2 U105#2.2 U105#3.2 U105#4.2 U108.2 U108#2.2 U108#3.2 U108#4.2
S34: CN3.38 CN3#2.38 CN3#3.38 CN3#4.38 U83.4 U83#2.4 U83#3.4 U83#4.4 U86.4 U86#2.4 U86#3.4 U86#4.4 U89.4 U89#2.4 U89#3.4 U89#4.4 U92.4 U92#2.4 U92#3.4 U92#4.4 U95.4 U95#2.4 U95#3.4 U95#4.4 U98.4 U98#2.4 U98#3.4 U98#4.4 U101.4 U101#2.4 U101#3.4 U101#4.4 U104.4 U104#2.4 U104#3.4 U104#4.4 U107.4 U107#2.4 U107#3.4 U107#4.4
S35: CN3.39 CN3#2.39 CN3#3.39 CN3#4.39 U83.3 U83#2.3 U83#3.3 U83#4.3 U86.3 U86#2.3 U86#3.3 U86#4.3 U89.3 U89#2.3 U89#3.3 U89#4.3 U92.3 U92#2.3 U92#3.3 U92#4.3 U95.3 U95#2.3 U95#3.3 U95#4.3 U98.3 U98#2.3 U98#3.3 U98#4.3 U101.3 U101#2.3 U101#3.3 U101#4.3 U104.3 U104#2.3 U104#3.3 U104#4.3 U107.3 U107#2.3 U107#3.3 U107#4.3
S36: CN3.40 CN3#2.40 CN3#3.40 CN3#4.40 U83.2 U83#2.2 U83#3.2 U83#4.2 U86.2 U86#2.2 U86#3.2 U86#4.2 U89.2 U89#2.2 U89#3.2 U89#4.2 U92.2 U92#2.2 U92#3.2 U92#4.2 U95.2 U95#2.2 U95#3.2 U95#4.2 U98.2 U98#2.2 U98#3.2 U98#4.2 U101.2 U101#2.2 U101#3.2 U101#4.2 U104.2 U104#2.2 U104#3.2 U104#4.2 U107.2 U107#2.2 U107#3.2 U107#4.2
S37: CN3.1 CN3#2.1 CN3#3.1 CN3#4.1 U110.4 U110#2.4 U110#3.4 U110#4.4 U111.4 U111#2.4 U111#3.4 U111#4.4 U112.4 U112#2.4 U112#3.4 U112#4.4 U113.4 U113#2.4 U113#3.4 U113#4.4 U114.4 U114#2.4 U114#3.4 U114#4.4 U115.4 U115#2.4 U115#3.4 U115#4.4 U116.4 U116#2.4 U116#3.4 U116#4.4 U117.4 U117#2.4 U117#3.4 U117#4.4 U118.4 U118#2.4 U118#3.4 U118#4.4
S38: CN3.2 CN3#2.2 CN3#3.2 CN3#4.2 U110.3 U110#2.3 U110#3.3 U110#4.3 U111.3 U111#2.3 U111#3.3 U111#4.3 U112.3 U112#2.3 U112#3.3 U112#4.3 U113.3 U113#2.3 U113#3.3 U113#4.3 U114.3 U114#2.3 U114#3.3 U114#4.3 U115.3 U115#2.3 U115#3.3 U115#4.3 U116.3 U116#2.3 U116#3.3 U116#4.3 U117.3 U117#2.3 U117#3.3 U117#4.3 U118.3 U118#2.3 U118#3.3 U118#4.3
S39: CN3.3 CN3#2.3 CN3#3.3 CN3#4.3 U110.2 U110#2.2 U110#3.2 U110#4.2 U111.2 U111#2.2 U111#3.2 U111#4.2 U112.2 U112#2.2 U112#3.2 U112#4.2 U113.2 U113#2.2 U113#3.2 U113#4.2 U114.2 U114#2.2 U114#3.2 U114#4.2 U115.2 U115#2.2 U115#3.2 U115#4.2 U116.2 U116#2.2 U116#3.2 U116#4.2 U117.2 U117#2.2 U117#3.2 U117#4.2 U118.2 U118#2.2 U118#3.2 U118#4.2
SW1: CN4.37 CN4#2.37 CN4#3.37 CN4#4.37 U2.1 U2#2.1 U2#3.1 U2#4.1 U11.1 U11#2.1 U11#3.1 U11#4.1 U20.1 U20#2.1 U20#3.1 U20#4.1 U29.1 U29#2.1 U29#3.1 U29#4.1 U30.1 U30#2.1 U30#3.1 U30#4.1 U31.1 U31#2.1 U31#3.1 U31#4.1 U56.1 U56#2.1 U56#3.1 U56#4.1 U57.1 U57#2.1 U57#3.1 U57#4.1 U58.1 U58#2.1 U58#3.1 U58#4.1 U83.1 U83#2.1 U83#3.1 U83#4.1 U84.1 U84#2.1 U84#3.1 U84#4.1 U85.1 U85#2.1 U85#3.1 U85#4.1 U110.1 U110#2.1 U110#3.1 U110#4.1
SW2: CN4.39 CN4#2.39 CN4#3.39 CN4#4.39 U3.1 U3#2.1 U3#3.1 U3#4.1 U12.1 U12#2.1 U12#3.1 U12#4.1 U21.1 U21#2.1 U21#3.1 U21#4.1 U32.1 U32#2.1 U32#3.1 U32#4.1 U33.1 U33#2.1 U33#3.1 U33#4.1 U34.1 U34#2.1 U34#3.1 U34#4.1 U59.1 U59#2.1 U59#3.1 U59#4.1 U60.1 U60#2.1 U60#3.1 U60#4.1 U61.1 U61#2.1 U61#3.1 U61#4.1 U86.1 U86#2.1 U86#3.1 U86#4.1 U87.1 U87#2.1 U87#3.1 U87#4.1 U88.1 U88#2.1 U88#3.1 U88#4.1 U111.1 U111#2.1 U111#3.1 U111#4.1
SW3: CN4.40 CN4#2.40 CN4#3.40 CN4#4.40 U4.1 U4#2.1 U4#3.1 U4#4.1 U13.1 U13#2.1 U13#3.1 U13#4.1 U22.1 U22#2.1 U22#3.1 U22#4.1 U35.1 U35#2.1 U35#3.1 U35#4.1 U36.1 U36#2.1 U36#3.1 U36#4.1 U37.1 U37#2.1 U37#3.1 U37#4.1 U62.1 U62#2.1 U62#3.1 U62#4.1 U63.1 U63#2.1 U63#3.1 U63#4.1 U64.1 U64#2.1 U64#3.1 U64#4.1 U89.1 U89#2.1 U89#3.1 U89#4.1 U90.1 U90#2.1 U90#3.1 U90#4.1 U91.1 U91#2.1 U91#3.1 U91#4.1 U112.1 U112#2.1 U112#3.1 U112#4.1
SW4: CN4.3 CN4.38 CN4#2.3 CN4#2.38 CN4#3.3 CN4#3.38 CN4#4.3 CN4#4.38 U5.1 U5#2.1 U5#3.1 U5#4.1 U14.1 U14#2.1 U14#3.1 U14#4.1 U23.1 U23#2.1 U23#3.1 U23#4.1 U38.1 U38#2.1 U38#3.1 U38#4.1 U39.1 U39#2.1 U39#3.1 U39#4.1 U40.1 U40#2.1 U40#3.1 U40#4.1 U65.1 U65#2.1 U65#3.1 U65#4.1 U66.1 U66#2.1 U66#3.1 U66#4.1 U67.1 U67#2.1 U67#3.1 U67#4.1 U92.1 U92#2.1 U92#3.1 U92#4.1 U93.1 U93#2.1 U93#3.1 U93#4.1 U94.1 U94#2.1 U94#3.1 U94#4.1 U113.1 U113#2.1 U113#3.1 U113#4.1
